# Altium PCB MCU063A_PCB.PcbDoc (part 2 of 9) (continued)
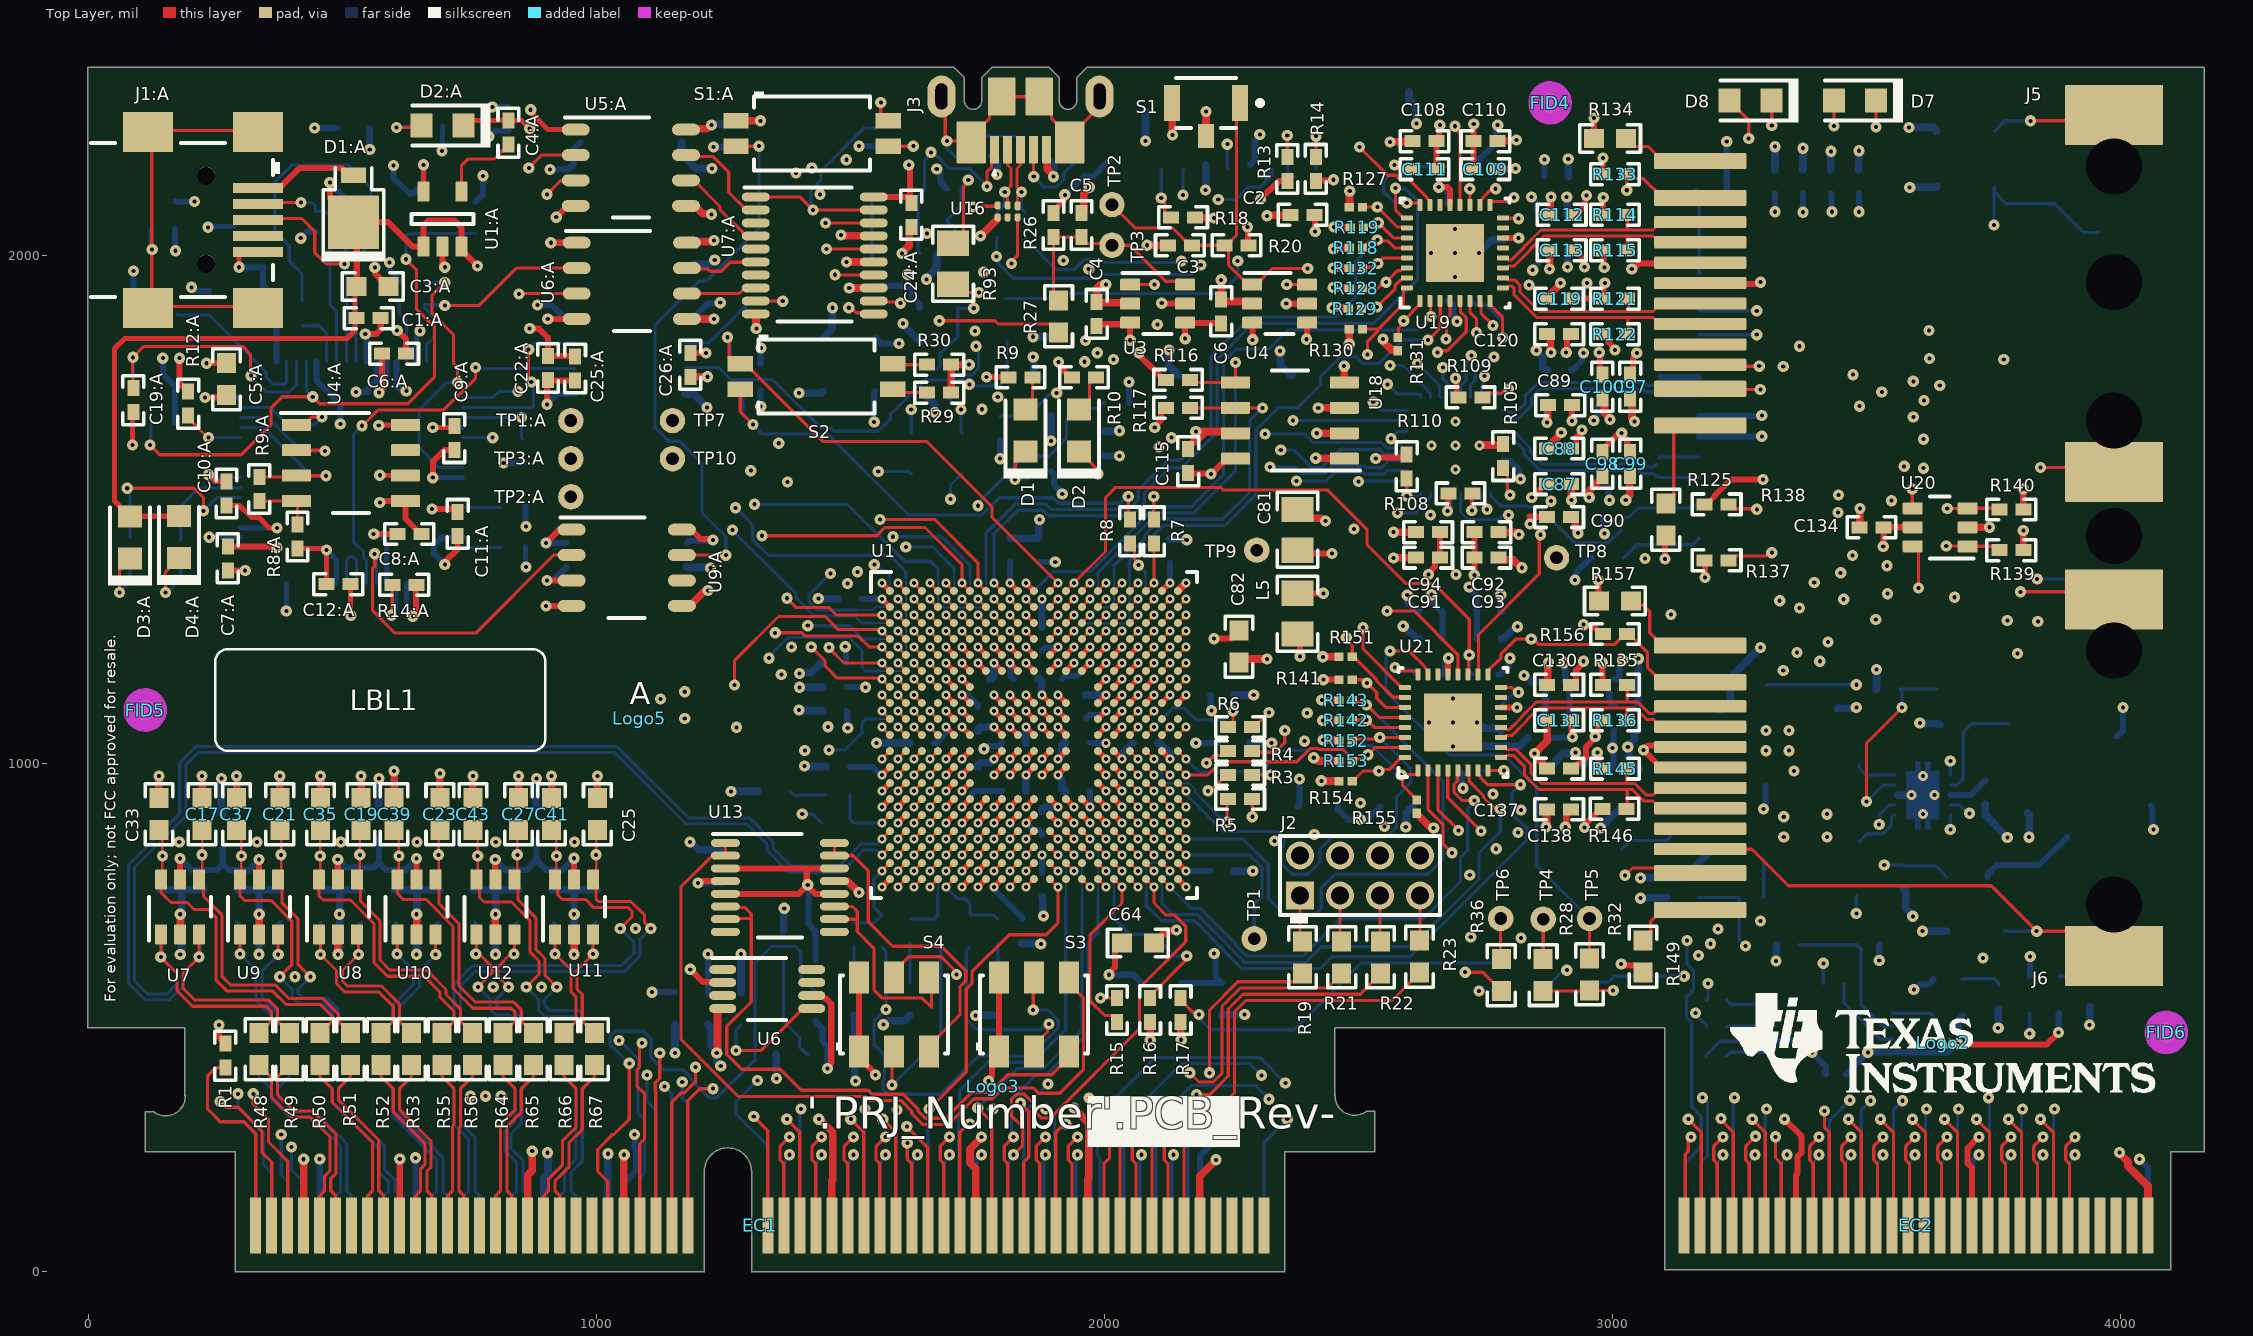
[diagram p0: Top Layer view]
## Part data (continued)
R81: library part CMP-0026879-3, "RES, 22 k, 5%, 0.063 W, AEC-Q200 Grade 0, 0402", Manufacturer=Vishay-Dale, Power_W=63mW, Supplier Part Number 1=541-22KJCT-ND, TempCo="200 ppm/C", Tolerance_%=5%, Value2=0.063W, Value_Code=22k0, ValueDisplayed=22k, AEC Category=Q200, AEC Grade=0, AEC Qualified=Y, ComponentLink1Description="Datasheet link", ComponentLink1URL=http://www.vishay.com/docs/20035/dcrcwe3.pdf, CompType=Resistor, EIA_Code=E24, MountType=SMT, PackageReference=0402, PartNumber=CRCW040222K0JNED, Res_ohm=22k, RoHS=E, SizeArea_mm2=0.5, SizeX_mm=1, SizeY_mm=0.5, SizeZ_mm=0.6, Supplier 1=Digi-Key, Supplier 2=Newark, Supplier 3=Mouser, Supplier Part Number 2=59M6715, Supplier Part Number 3=71-CRCW0402J-22K-E3, Technology="Thick Film", Value1=5%, VDC_V=50V
R83: library part CMP-0026300-2, "RES, 340 k, 1%, 0.063 W, AEC-Q200 Grade 0, 0402", Manufacturer=Vishay-Dale, Power_W=63mW, Supplier Part Number 1=541-340KLCT-ND, TempCo="100 ppm/C", Tolerance_%=1%, Value2=0.063W, Value_Code=340k, AEC Category=Q200, AEC Grade=0, AEC Qualified=Y, ComponentLink1Description="Datasheet link", ComponentLink1URL=http://www.vishay.com/docs/20035/dcrcwe3.pdf, CompType=Resistor, EIA_Code=E96, MountType=SMT, PackageReference=0402, PartNumber=CRCW0402340KFKED, Res_ohm=340k, RoHS=E, SizeArea_mm2=0.5, SizeX_mm=1, SizeY_mm=0.5, SizeZ_mm=0.6, Supplier 1=Digi-Key, Supplier 2=Newark, Supplier 3=Mouser, Supplier Part Number 2=52K6992, Supplier Part Number 3=71-CRCW0402-340K-E3, Technology="Thick Film", Value1=1%, ValueDisplayed=340k, VDC_V=50V
R85: library part CMP-0026676-1, "RES, 2.00 k, 1%, 0.1 W, AEC-Q200 Grade 0, 0402", Manufacturer=Panasonic, Power_W=100mW, Supplier Part Number 1=P2.00KLCT-ND, TempCo="100 ppm/C", Tolerance_%=1%, Value2=0.1W, Value_Code=2k00, ValueDisplayed=2.00k, AEC Category=Q200, AEC Grade=0, AEC Qualified=Y, ComponentLink1Description="Datasheet link", ComponentLink1URL=http://industrial.panasonic.com/cdbs/www-data/pdf/RDA0000/AOA0000C86.pdf, CompType=Resistor, EIA_Code=E96, LatestRevisionDate=2017-03-09, MountType=SMT, PackageReference=0402, PartNumber=ERJ-2RKF2001X, Published=2008-06-26, Publisher="Texas Instruments", Res_ohm=2k, RoHS=Y, SizeArea_mm2=0.5, SizeX_mm=1, SizeY_mm=0.5, SizeZ_mm=0.6, Supplier 1=Digi-Key, Supplier 2=Newark, Supplier 3=Mouser, Supplier Part Number 2=73T6486, Supplier Part Number 3=667-ERJ-2RKF2001X, Technology="Thick Film", U/M=EA, Value1=1%, VDC_V=50V
R86: library part CMP-0026160-2, "RES, 205 k, 1%, 0.063 W, AEC-Q200 Grade 0, 0402", Manufacturer=Vishay-Dale, Power_W=63mW, Supplier Part Number 1=541-205KLCT-ND, TempCo="100 ppm/C", Tolerance_%=1%, Value2=0.063W, Value_Code=205k, AEC Category=Q200, AEC Grade=0, AEC Qualified=Y, ComponentLink1Description="Datasheet link", ComponentLink1URL=http://www.vishay.com/docs/20035/dcrcwe3.pdf, CompType=Resistor, EIA_Code=E96, MountType=SMT, PackageReference=0402, PartNumber=CRCW0402205KFKED, Res_ohm=205k, RoHS=E, SizeArea_mm2=0.5, SizeX_mm=1, SizeY_mm=0.5, SizeZ_mm=0.6, Supplier 1=Digi-Key, Supplier 2=Newark, Supplier 3=Mouser, Supplier Part Number 2=52K6827, Supplier Part Number 3=71-CRCW0402-205K-E3, Technology="Thick Film", Value1=1%, ValueDisplayed=205k, VDC_V=50V
R88: library part CMP-0025698-4, "RES, 100 k, 5%, 0.1 W, AEC-Q200 Grade 0, 0603", Manufacturer=Vishay-Dale, Power_W=100mW, Supplier Part Number 1=541-100KGCT-ND, TempCo="200 ppm/C", Tolerance_%=5%, Value2=0.1W, Value_Code=100k, AEC Category=Q200, AEC Grade=0, AEC Qualified=Y, ComponentLink1Description="Datasheet link", ComponentLink1URL=http://www.vishay.com/docs/20035/dcrcwe3.pdf, CompType=Resistor, EIA_Code=E24, MountType=SMT, PackageReference=0603, PartNumber=CRCW0603100KJNEA, Res_ohm=100k, RoHS=E, SizeArea_mm2=1.28, SizeX_mm=1.6, SizeY_mm=0.8, SizeZ_mm=1, Supplier 1=Digi-Key, Supplier 2=Newark, Supplier 3=Mouser, Supplier Part Number 2=59M6763, Supplier Part Number 3=71-CRCW0603J-100K-E3, Technology="Thick Film", Value1=5%, ValueDisplayed=100k, VDC_V=75V
R89: library part CMP-0026677-1, "RES, 200 k, 1%, 0.1 W, 0402", Manufacturer=Panasonic, Power_W=100mW, Supplier Part Number 1=P200KLCT-ND, TempCo="100 ppm/C", Tolerance_%=1%, Value2=0.1W, Value_Code=200k, AEC Category=Q200, AEC Qualified=?, ComponentLink1Description="Datasheet link", ComponentLink1URL=http://industrial.panasonic.com/www-data/pdf/AOA0000/AOA0000CE2.pdf, CompType=Resistor, EIA_Code=E96, LatestRevisionDate=2017-03-09, MountType=SMT, PackageReference=0402, PartNumber=ERJ-2RKF2003X, Published=2008-06-26, Publisher="Texas Instruments", Res_ohm=200k, RoHS=Y, SizeArea_mm2=0.5, SizeX_mm=1, SizeY_mm=0.5, SizeZ_mm=0.6, Supplier 1=Digi-Key, Supplier 2=Newark, Supplier 3=Mouser, Supplier Part Number 2=73T6488, Supplier Part Number 3=667-ERJ-2RKF2003X, Technology="Thick Film", U/M=EA, Value1=1%, ValueDisplayed=200k, VDC_V=50V
R90: library part CMP-0025557-3, "RES, 75.0 k, 0.5%, 0.1 W, 0603", Manufacturer="Yageo America", Power_W=100mW, TempCo="50 ppm/C", Tolerance_%=0.5%, Value2=0.1W, Value_Code=75k0, ValueDisplayed=75.0k, AEC Category=Q200, AEC Qualified=?, ComponentLink1Description="Datasheet link", ComponentLink1URL=http://www.yageo.com/pdf/PYu-RT_1-to-0.05_RoHS_L_3.pdf, CompType=Resistor, EIA_Code=E192, LatestRevisionDate=2017-03-09, MountType=SMT, PackageReference=0603, PartNumber=RT0603DRE0775KL, Published=2008-06-26, Publisher="Texas Instruments", Res_ohm=75k, RoHS=Y, SizeArea_mm2=1.28, SizeX_mm=1.6, SizeY_mm=0.8, SizeZ_mm=1, Technology="Thin Film", U/M=EA, Value1=0.5%, VDC_V=75V
R93 R94 R95 R96 R97: library part CMP-0020620-3, "RES, 10 k, 5%, 0.125 W, AEC-Q200 Grade 0, 0805", Manufacturer=Panasonic, Power_W=125mW, Supplier Part Number 1=P10KACT-ND, TempCo="200 ppm/C", Tolerance_%=5%, Value2=0.125W, Value_Code=10k0, ValueDisplayed=10k, AEC Category=Q200, AEC Grade=0, AEC Qualified=Y, ComponentLink1Description="Datasheet link", ComponentLink1URL=https://industrial.panasonic.com/cdbs/www-data/pdf/RDA0000/AOA0000C301.pdf, CompType=Resistor, EIA_Code=E24, MountType=SMT, PackageReference=0805, PartNumber=ERJ-6GEYJ103V, Res_ohm=10k, RoHS=Y, SizeArea_mm2=2.5, SizeAreaWB_mm2=6.75, SizeX_mm=2, SizeY_mm=1.25, SizeZ_mm=1.45, Supplier 1=Digi-Key, Supplier 2=Newark, Supplier 3=Mouser, Supplier Part Number 2=67T1248, Supplier Part Number 3=667-ERJ-6GEYJ103V, Technology="Thick Film", Value1=5%, VDC_V=150V
R99 R100 R101: library part CMP-0025875-3, "RES, 100 k, 5%, 0.1 W, AEC-Q200 Grade 0, 0603", Manufacturer=Panasonic, Power_W=100mW, Supplier Part Number 1=P100KGCT-ND, TempCo="200 ppm/C", Tolerance_%=5%, Value2=0.1W, Value_Code=100k, AEC Category=Q200, AEC Grade=0, AEC Qualified=Y, ComponentLink1Description="Datasheet link", ComponentLink1URL=http://industrial.panasonic.com/cdbs/www-data/pdf/RDA0000/AOA0000C84.pdf, CompType=Resistor, EIA_Code=E24, LatestRevisionDate=2017-03-09, MountType=SMT, PackageReference=0603, PartNumber=ERJ-3GEYJ104V, Published=2008-06-26, Publisher="Texas Instruments", Res_ohm=100k, RoHS=Y, SizeArea_mm2=1.28, SizeX_mm=1.6, SizeY_mm=0.8, SizeZ_mm=1, Supplier 1=Digi-Key, Supplier 2=Newark, Supplier 3=Mouser, Supplier Part Number 2=63W0974, Supplier Part Number 3=667-ERJ-3GEYJ104V, Technology="Thick Film", U/M=EA, Value1=5%, ValueDisplayed=100k, VDC_V=50V
R103 R104 R106 R107 R114 R115 R121 R122 R135 R136 R145 R146: library part CMP-0026738-1, "RES, 49.9, 1%, 0.063 W, 0402", Manufacturer="Yageo America", Power_W=63mW, Supplier Part Number 1=311-49.9LRCT-ND, TempCo="100 ppm/C", Tolerance_%=1%, Value2=0.063W, Value_Code=49R9, ValueDisplayed=49.9, AEC Category=Q200, AEC Grade=N/A, AEC Qualified=N, ComponentLink1Description="Datasheet link", ComponentLink1URL=http://www.yageo.com/documents/recent/PYu-RC_Group_51_RoHS_L_1.pdf, CompType=Resistor, EIA_Code=E96, LatestRevisionDate=2017-03-09, MountType=SMT, PackageReference=0402, PartNumber=RC0402FR-0749R9L, Published=2008-06-26, Publisher="Texas Instruments", Res_ohm=49.9, RoHS=Y, SizeArea_mm2=0.5, SizeX_mm=1, SizeY_mm=0.5, SizeZ_mm=0.6, Supplier 1=Digi-Key, Supplier 2=Newark, Supplier 3=Mouser, Supplier Part Number 2=67R9942, Supplier Part Number 3=603-RC0402FR-0749R9L, Technology="Thick Film", U/M=EA, Value1=1%, VDC_V=50V
R105 R120 R144: library part CMP-0026413-2, "RES, 4.87 k, 1%, 0.063 W, AEC-Q200 Grade 0, 0402", Manufacturer=Vishay-Dale, Power_W=63mW, Supplier Part Number 1=541-4.87KLCT-ND, TempCo="100 ppm/C", Tolerance_%=1%, Value2=0.063W, Value_Code=4k87, ValueDisplayed=4.87k, AEC Category=Q200, AEC Grade=0, AEC Qualified=Y, ComponentLink1Description="Datasheet link", ComponentLink1URL=http://www.vishay.com/docs/20035/dcrcwe3.pdf, CompType=Resistor, EIA_Code=E96, MountType=SMT, PackageReference=0402, PartNumber=CRCW04024K87FKED, Res_ohm=4.87k, RoHS=E, SizeArea_mm2=0.5, SizeX_mm=1, SizeY_mm=0.5, SizeZ_mm=0.6, Supplier 1=Digi-Key, Supplier 2=Newark, Supplier 3=Mouser, Supplier Part Number 2=52K7047, Supplier Part Number 3=71-CRCW0402-4.87K-E3, Technology="Thick Film", Value1=1%, VDC_V=50V
R110 R126 R150: library part CMP-0026237-2, "RES, 2.49 k, 1%, 0.063 W, AEC-Q200 Grade 0, 0402", Manufacturer=Vishay-Dale, Power_W=63mW, Supplier Part Number 1=541-2.49KLCT-ND, TempCo="100 ppm/C", Tolerance_%=1%, Value2=0.063W, Value_Code=2k49, ValueDisplayed=2.49k, AEC Category=Q200, AEC Grade=0, AEC Qualified=Y, ComponentLink1Description="Datasheet link", ComponentLink1URL=http://www.vishay.com/docs/20035/dcrcwe3.pdf, CompType=Resistor, EIA_Code=E96, MountType=SMT, PackageReference=0402, PartNumber=CRCW04022K49FKED, Res_ohm=2.49k, RoHS=E, SizeArea_mm2=0.5, SizeX_mm=1, SizeY_mm=0.5, SizeZ_mm=0.6, Supplier 1=Digi-Key, Supplier 2=Newark, Supplier 3=Mouser, Supplier Part Number 2=52K6803, Supplier Part Number 3=71-CRCW0402-2.49K-E3, Technology="Thick Film", Value1=1%, VDC_V=50V
R112 R113 R125 R134 R149 R157: library part CMP-0025813-4, "RES, 470, 5%, 0.1 W, AEC-Q200 Grade 0, 0603", Manufacturer=Vishay-Dale, Power_W=100mW, Supplier Part Number 1=541-470GCT-ND, TempCo="200 ppm/C", Tolerance_%=5%, Value2=0.1W, Value_Code=470R, ValueDisplayed=470, AEC Category=Q200, AEC Grade=0, AEC Qualified=Y, ComponentLink1Description="Datasheet link", ComponentLink1URL=http://www.vishay.com/docs/20035/dcrcwe3.pdf, CompType=Resistor, EIA_Code=E24, MountType=SMT, PackageReference=0603, PartNumber=CRCW0603470RJNEA, Res_ohm=470, RoHS=E, SizeArea_mm2=1.28, SizeX_mm=1.6, SizeY_mm=0.8, SizeZ_mm=1, Supplier 1=Digi-Key, Supplier 2=Newark, Supplier 3=Mouser, Supplier Part Number 2=59M6817, Supplier Part Number 3=71-CRCW0603J-470-E3, Technology="Thick Film", Value1=5%, VDC_V=75V
R118 R119 R127 R128 R129 R130 R131 R132 R141 R142 R143 R151 R152 R153 R154 R155: library part CMP-0027010-2, "RES, 2.2 k, 5%, 0.05 W, 0201", Manufacturer=Vishay-Dale, Power_W=50mW, Supplier Part Number 1=541-2.2KAGCT-ND, TempCo="200 ppm/C", Tolerance_%=5%, Value2=0.05W, Value_Code=2k20, ValueDisplayed=2.2k, AEC Category=Q200, AEC Grade=N/A, AEC Qualified=N, ComponentLink1Description="Datasheet link", ComponentLink1URL=http://www.vishay.com/docs/20052/crcw0201e3.pdf, CompType=Resistor, EIA_Code=E24, MountType=SMT, PackageReference=0201, PartNumber=CRCW02012K20JNED, Res_ohm=2.2k, RoHS=E, SizeArea_mm2=0.18, SizeX_mm=0.6, SizeY_mm=0.3, SizeZ_mm=0.26, Supplier 1=Digi-Key, Supplier 2=Newark, Supplier 3=Mouser, Supplier Part Number 2=48P7324, Supplier Part Number 3=71-CRCW02012K20JNED, Technology="Thick Film", Value1=5%, VDC_V=30V
R137: library part CMP-0026081-3, "RES, 1.27 k, 1%, 0.063 W, AEC-Q200 Grade 0, 0402", Manufacturer=Vishay-Dale, Power_W=63mW, Supplier Part Number 1=541-1.27KLCT-ND, TempCo="100 ppm/C", Tolerance_%=1%, Value2=0.063W, Value_Code=1k27, ValueDisplayed=1.27k, AEC Category=Q200, AEC Grade=0, AEC Qualified=Y, ComponentLink1Description="Datasheet link", ComponentLink1URL=http://www.vishay.com/docs/20035/dcrcwe3.pdf, CompType=Resistor, EIA_Code=E96, MountType=SMT, PackageReference=0402, PartNumber=CRCW04021K27FKED, Res_ohm=1.27k, RoHS=E, SizeArea_mm2=0.5, SizeX_mm=1, SizeY_mm=0.5, SizeZ_mm=0.6, Supplier 1=Digi-Key, Supplier 2=Newark, Supplier 3=Mouser, Supplier Part Number 2=52K6562, Supplier Part Number 3=71-CRCW0402-1.27K-E3, Technology="Thick Film", Value1=1%, VDC_V=50V
S1: library part CMP-0002193-2, "Switch, SPST-NO, Off-Mom, 12 V, SMD", CurrentRating_mA=50A, Manufacturer="Omron Electronic Components", Supplier Part Number 1=SW1021CT-ND, Circuit=SPST-NO, ComponentLink1Description="Datasheet URL", ComponentLink1URL=http://www.omron.com/ecb/products/pdf/en-b3u.pdf, CompType=Switch, LatestRevisionDate=2017-03-09, MountType=SMT, Orientation="Top Actuated", PackageReference="SMD, 3-Leads, Body 3x2.5mm", PartNumber=B3U-1100P, PositionCount=1, Publisher="Texas Instruments", RoHS=Y, Supplier 1=Digi-Key, Supplier 2=Newark, Supplier 3=Mouser, Supplier Part Number 2=39M4619, Supplier Part Number 3=653-B3U-1100P, SwitchFunction=Off-Mom, VDC_V=12V
S1:A S2: library part CMP-0002230-1, "Switch, SPST, 2 Pos, 25mA, 24VDC, SMD", CurrentRating_mA=25A, Manufacturer="CTS Electrocomponents", Supplier Part Number 1=CT2182LPST-ND, Circuit=SPST, ComponentLink1Description="Datasheet Link", ComponentLink1URL=http://www.ctscorp.com/components/Datasheets/218.pdf, CompType=Switch, LatestRevisionDate=2017-03-09, MountType=SMT, Orientation="Top Actuated", PackageReference=3.71x5.8mm, PartNumber=218-2LPST, PositionCount=2, Publisher="Texas Instruments", RoHS=Y, Supplier 1=Digi-Key, Supplier 2=Mouser, Supplier Part Number 2=774-2182LPST, SwitchFunction=Off-On, VDC_V=24V
S3 S4: library part CMP-0002233-1, "Switch, Dual SPDT,  2 Pos, 0.1A, 6VDC, SMD", CurrentRating_mA=100A, Manufacturer="Copal Electronics", Supplier Part Number 1=CASD20JCT-ND, Circuit=SPDT, ComponentLink1Description="Datasheet Link", ComponentLink1URL=http://www.nidec-copal-electronics.com/e/catalog/switch/cas.pdf, CompType=Switch, LatestRevisionDate=2017-03-09, MountType=SMT, Orientation="Top Actuated", PackageReference=5.4x3.9mm, PartNumber=CAS-D20TA, PositionCount=2, Publisher="Texas Instruments", RoHS=Y, Supplier 1=Digi-Key, SwitchFunction=On-On, VDC_V=6V
TP1 TP1:A TP2 TP2:A TP3 TP3:A TP4 TP5 TP6 TP7 TP8 TP9 TP10: library part CMP-0078143-2, "TEST POINT.  No entry in BOM.", Manufacturer=N/A, CompType=Testpoint, PackageReference=N/A, PartNumber=N/A
U1: library part CMP-0081777-3, "TMS320F28388DZWTS, ZWT0337A (NFBGA-337)", Alternate Manufacturer="Texas Instruments", AEC Category=Q200, AEC Qualified=N, ComponentLink1Description="Datasheet Link", ComponentLink1URL=http://www.ti.com/lit/ds/symlink/tms320f28388d.pdf, ComponentLink2Description="Product Folder", ComponentLink2URL=http://www.ti.com/product/tms320f28388d, ComponentLink3Description="Online Datasheet", ComponentLink3URL=http://www.ti.com/product/tms320f28388d/datasheet, CompType=IC, Manufacturer="Texas Instruments", MountType=SMT, PackageDescription=NFBGA-337, PackageReference=ZWT0337A, PartNumber=TMS320F28388DZWTS, SizeArea_mm2=256, SizeAreaWB_mm2=324, SizeX_mm=16, SizeY_mm=16, SizeZ_mm=1.4
U1:A: library part CMP-0073823-1, "Low-Noise, High PSRR, RF 200-mA Low-Dropout Linear Regulators, DBV0005A (SOT-23-5)", Alternate Manufacturer="Texas Instruments", Alternate PartNumber=TPS73033DBVT, ComponentLink1Description="Datasheet Link", ComponentLink1URL=http://www.ti.com/lit/ds/symlink/tps730.pdf, CompType=IC, Footprint Path 6=C:\AltiumLibraries\Footprints\TI\.PcbLib, Green_EU RoHS=Passed, Green_EU RoHS-2=Passed, Green_Lifecycle=Active, Green_REACh=Passed, LatestRevisionDate=2017-06-09, Manufacturer="Texas Instruments", MountType=SMT, PackageDescription=SOT-23-5, PackageReference=DBV0005A, PartNumber=TPS73033DBVR, Publisher="Texas Instruments", RoHS=Y, SizeArea_mm2=8.12, SizeAreaWB_mm2=14.82, SizeX_mm=2.8, SizeY_mm=2.9, SizeZ_mm=1.45, U/M=EA
U2: library part CMP-0051789-2, "Dual Buffer/Driver with Open-Drain Output, DBV0006A, LARGE T&R", F @ Nom Voltage(Max)(Mhz)=150, Generic Part Number=SN74LVC2G07, ICC @ Nom Voltage(Max)(mA)=0.01, Manufacturer="Texas Instruments", Operating Temperature Range(C)="-40 to 125", Rating=Catalog, tpd @ Nom Voltage(Max)(ns)=8.6,4.4,3.7,2.9, Voltage(Nom)(V)=1.8,2.5,3.3,5, 3-State Output=No, AEC Category=Q200, AEC Qualified=N, Bits(#)=2, ComponentLink1Description="Datasheet Link", ComponentLink1URL=http://www.ti.com/lit/ds/symlink/sn74lvc2g07.pdf, ComponentLink2Description="Product Folder", ComponentLink2URL=http://www.ti.com/product/sn74lvc2g07, ComponentLink3Description="Online Datasheet", ComponentLink3URL=http://www.ti.com/product/sn74lvc2g07/datasheet, CompType=IC, DatasheetVersion=SCES308K, Green_EU RoHS=Passed, Green_EU RoHS-2=Passed, Green_Lifecycle=Active, Green_REACh=Passed, Input Type=CMOS/TTL, Logic=True, MountType=SMT, Output Drive (IOL/IOH)(Max)(mA)=32/-32, Output Type=CMOS, PackageDescription=SOT-23-6, PackageReference=DBV0006A, PartNumber=SN74LVC2G07DBVR, RoHS=Y, Schmitt Trigger=No, SizeArea_mm2=8.12, SizeAreaWB_mm2=14.82, SizeX_mm=2.8, SizeY_mm=2.9, SizeZ_mm=1.45, Sub-Family="Inverting Buffer/Driver", Technology Family=LVC, VCC(Max)(V)=5.5, VCC(Min)(V)=1.65
U2:A: library part CMP-0004796-1, "Dual High Speed USB To Multipurpose UART/FIFO IC, LQFP-64", Manufacturer=FTDI, Supplier Part Number 1=768-1024-1-ND, ComponentLink1Description="Datasheet URL", ComponentLink1URL=http://www.ftdichip.com/Support/Documents/DataSheets/ICs/DS_FT2232H.pdf, LatestRevisionDate=09/03/2017, MountType=SMT, PackageReference=LQFP_10x10mm, PartNumber=FT2232HL-REEL, Publisher="Texas Instruments", RoHS=Y, Supplier 1=Digi-Key, Supplier 2=Mouser, Supplier Part Number 2=895-FT2232HL
U3: library part CMP-0080903-1, "High-Accuracy, Fixed-Threshold OV/UV Monitor, DDC0006A (SOT-23-T-6)", Alternate Manufacturer="Texas Instruments", Alternate PartNumber=TPS3702CX33DDCR, AEC Category=Q200, AEC Qualified=N, ComponentLink1Description="Datasheet Link", ComponentLink1URL=http://www.ti.com/lit/ds/symlink/tps3702.pdf, ComponentLink2Description="Product Folder", ComponentLink2URL=http://www.ti.com/product/tps3702, ComponentLink3Description="Online Datasheet", ComponentLink3URL=http://www.ti.com/product/tps3702/datasheet, CompType=IC, Manufacturer="Texas Instruments", MountType=SMT, PackageDescription=SOT-23-T-6, PackageReference=DDC0006A, PartNumber=TPS3702CX33DDCT, RoHS=Y, SizeArea_mm2=4.8675, SizeAreaWB_mm2=10.4675, SizeX_mm=1.65, SizeY_mm=2.95, SizeZ_mm=0.87
U3:A: library part CMP-0043096-2, "Low-Capacitance + / - 15 kV ESD-Protection Array for High-Speed Data Interfaces, 2 Channels, -40 to +85 degC, 5-pin SOT (DRL), Green (RoHS & no Sb/Br)", Breakdown Voltage(Min)(V)=11, IO Capacitance(Typ)(pF)=1.5, IO Leakage Current(nA)=1, Manufacturer="Texas Instruments", ComponentLink1Description="Manufacturer URL", ComponentLink1URL=http://www.ti.com/, ComponentLink2Description=Datasheet, ComponentLink2URL=http://www.ti.com/general/docs/lit/getliterature.tsp?genericPartNumber=TPD2E001&fileType=pdf, ComponentLink3Description="URL Link1", ComponentLink3URL=SamplesURL:http://www.ti.com/product/tpd2e001#samples, DatasheetVersion=SLLS684F, Eco-Plan="Green (RoHS & no Sb/Br)", IEC 61000-4-2 Air-Gap(+/- kV)=15, IEC 61000-4-2 Contact(+/- kV)=8, Mounting Technology="Surface Mount", PackageDescription="5-Pin Plastic Small Outline, Flat Lead 0.5 mm Pitch", PackageReference=DRL0005A, PackageVersion="revD, Aug-2007", PartNumber=TPD2E001DRLR, SubFamily="ESD Solution", USB High Speed=TRUE
U4: library part CMP-0080906-1, "High-Accuracy, Fixed-Threshold OV/UV Monitor, DDC0006A (SOT-23-T-6)", Alternate Manufacturer="Texas Instruments", Alternate PartNumber=TPS3702CX12DDCR, AEC Category=Q200, AEC Qualified=N, ComponentLink1Description="Datasheet Link", ComponentLink1URL=http://www.ti.com/lit/ds/symlink/tps3702.pdf, ComponentLink2Description="Product Folder", ComponentLink2URL=http://www.ti.com/product/tps3702, ComponentLink3Description="Online Datasheet", ComponentLink3URL=http://www.ti.com/product/tps3702/datasheet, CompType=IC, Manufacturer="Texas Instruments", MountType=SMT, PackageDescription=SOT-23-T-6, PackageReference=DDC0006A, PartNumber=TPS3702CX12DDCT, RoHS=Y, SizeArea_mm2=4.8675, SizeAreaWB_mm2=10.4675, SizeX_mm=1.65, SizeY_mm=2.95, SizeZ_mm=0.87
U4:A: library part CMP-0005261-2, "2K Microwire Compatible Serial EEPROM, SOIC-8", Manufacturer=Microchip, Supplier Part Number 1=93LC56C-I/SN-ND, ComponentLink1Description="Datasheet URL", ComponentLink1URL=http://ww1.microchip.com/downloads/en/DeviceDoc/21794G.pdf, LatestRevisionDate=09/03/2017, MountType=SMT, PackageReference=SOIC-8, PartNumber=93LC56C-I/SN, Publisher="Texas Instruments", RoHS=Y, SizeArea_mm2=29.351, SizeAreaWB_mm2=55.131, SizeX_mm=5.99, SizeY_mm=4.9, SizeZ_mm=1.75, Supplier 1=Digi-Key, Supplier 2=Newark, Supplier 3=Mouser, Supplier Part Number 2=30H4775, Supplier Part Number 3=579-93LC56C-I/SNG
U5: library part CMP-0065661-1, "Low Jitter, 1:4 LVCMOS Fan-out Clock Buffer, PW0008A (TSSOP-8)", Alternate Manufacturer="Texas Instruments", ComponentLink1Description="Datasheet Link", ComponentLink1URL=http://www.ti.com/lit/ds/symlink/cdclvc1104.pdf, CompType=IC, Footprint Path 6=C:\AltiumLibraries\Footprints\TI\.PcbLib, Green_EU RoHS=Passed, Green_EU RoHS-2=Passed, Green_Lifecycle=Active, Green_REACh=Passed, LatestRevisionDate=2017-06-09, Manufacturer="Texas Instruments", MountType=SMT, PackageDescription=TSSOP-8, PackageReference=PW0008A, PartNumber=CDCLVC1104PW, Publisher="Texas Instruments", RoHS=Y, SizeArea_mm2=19.2, SizeAreaWB_mm2=42.0, SizeX_mm=6.4, SizeY_mm=3.0, SizeZ_mm=1.2, U/M=EA
U5:A U6:A U8:A U9:A: library part CMP-0029375-1, "25 Mbps Dual Channels, 2 / 0, Digital Isolator, 3.3 V / 5 V, -40 to +125 degC, 8-pin SOIC (D), Green (RoHS & no Sb/Br)", Insulation Rating(VRMS)=2500, Manufacturer="Texas Instruments", Rating=Catalog, Supply Voltage(s)(V)="3.3, 5", Channel Configuration=2/01/2000, ComponentLink1Description="Manufacturer URL", ComponentLink1URL=http://www.ti.com/, ComponentLink2Description=Datasheet, ComponentLink2URL=http://www.ti.com/general/docs/lit/getliterature.tsp?genericPartNumber=ISO7220C&fileType=pdf, ComponentLink3Description="URL Link1", ComponentLink3URL=SamplesURL:http://www.ti.com/product/iso7220c#samples, Datarate(Mbps)=25, DatasheetVersion=SLLS755L, Eco-Plan="Green (RoHS & no Sb/Br)", Input Noise Filter=Yes, Mounting Technology="Surface Mount", PackageDescription="8-Pin Plastic Small Outline Integrated Circuit, 4.9 x 3.9 mm, Pitch 1.27 mm Pitch", PackageReference=D0008B, PackageVersion="revM, Jun-2011", PartNumber=ISO7220CD, Prop Delay(Max)(ns)=42, SubFamily=Isolator, Thermal Shutdown=No, TTL/CMOS Input Threshold=TTL
U6: library part CMP-0032596-2, "Low Noise, Very Low Drift, Precision Series Voltage Reference, DGK0008A (VSSOP-8)", Manufacturer="Texas Instruments", Rating=Catalog, Temp Coeff(Max)(ppm/ degree C)=3, AEC Category=Q200, AEC Qualified=N, Code_JEDEC=MO-187-AA, ComponentLink1Description="Datasheet Link", ComponentLink1URL=http://www.ti.com/lit/ds/symlink/ref5030.pdf, ComponentLink2Description="Product Folder", ComponentLink2URL=http://www.ti.com/product/ref5030, ComponentLink3Description="Online Datasheet", ComponentLink3URL=http://www.ti.com/product/ref5030/datasheet, CompType=IC, DatasheetVersion=SBOS410E, Eco-Plan="Green (RoHS & no Sb/Br)", Initial Accuracy @ 25/deg C(%)=0.05, Iout/Iz(Max)(mA)=10, Iq(Max)(uA)=1000, MountType=SMT, PackageDescription=VSSOP-8, PackageReference=DGK0008A, PackageVersion=4073329/E, PartNumber=REF5030IDGKT, RoHS=Y, SizeArea_mm2=14.7, SizeAreaWB_mm2=23.6, SizeX_mm=4.9, SizeY_mm=3, SizeZ_mm=1.1, SubFamily="Series Voltage Reference", VI(Max)(V)=18, VI(Min)(V)=3.2, VO(V)=3
U7 U8 U9 U10 U11 U12: library part CMP-0066599-1, "Automotive Low-Capacitance 4-Channel +/-15-kV ESD Protection Array for High-Speed Data Interfaces, DBV0006A (SOT-23-6)", Alternate Manufacturer="Texas Instruments", ComponentLink1Description="Datasheet Link", ComponentLink1URL=http://www.ti.com/lit/ds/symlink/tpd4e001-q1.pdf, CompType=IC, Footprint Path 6=C:\AltiumLibraries\Footprints\TI\.PcbLib, LatestRevisionDate=2017-06-09, Manufacturer="Texas Instruments", MountType=SMT, PackageDescription=SOT-23-6, PackageReference=DBV0006A, PartNumber=TPD4E001QDBVRQ1, Publisher="Texas Instruments", RoHS=Y, SizeArea_mm2=8.12, SizeAreaWB_mm2=14.82, SizeX_mm=2.8, SizeY_mm=2.9, SizeZ_mm=1.45, U/M=EA
U7:A: library part CMP-0047070-3, "Octal Buffer/Driver With 3-State OUtputs, PW0020A (TSSOP-20)", Alternate Manufacturer="Texas Instruments", Alternate PartNumber=SN74ALVC244PW, F @ Nom Voltage(Max)(Mhz)=100, Generic Part Number=SN74ALVC244, ICC @ Nom Voltage(Max)(mA)=0.024, Operating Temperature Range(C)="-40 to 85", Rating=Catalog, tpd @ Nom Voltage(Max)(ns)=4.4,3.1,2.8, Voltage(Nom)(V)=1.8,2.5,2.7,3.3, AEC Category=Q200, AEC Qualified=N, Bits(#)=8, Code_JEDEC=MO-153, ComponentLink1Description="Datasheet Link", ComponentLink1URL=http://www.ti.com/lit/ds/symlink/sn74alvc244.pdf, ComponentLink2Description="Product Folder", ComponentLink2URL=http://www.ti.com/product/sn74alvc244, ComponentLink3Description="Online Datasheet", ComponentLink3URL=http://www.ti.com/product/sn74alvc244/datasheet, CompType=IC, DatasheetVersion=SCES188G, Input Type=LVTTL, Manufacturer="Texas Instruments", MountType=SMT, Output Type=LVTTL, PackageDescription=TSSOP-20, PackageReference=PW0020A, PackageVersion=http://www.ti.com/lit/ml/mpds362/mpds362.pdf, PartNumber=SN74ALVC244PWR, RoHS=Y, SizeArea_mm2=43.56, SizeAreaWB_mm2=73.96, SizeX_mm=6.6, SizeY_mm=6.6, SizeZ_mm=1.2, VCC(Max)(V)=3.6, VCC(Min)(V)=1.65
U13: library part CMP-0041147-1, "High-Speed, Single-Supply, Rail-to-Rail Operational Amplifier MicroAmplifier(TM) Series, 2.7 to 5.5 V, -55 to 150 degC, 16-pin SOP (DBQ16), Green (RoHS & no Sb/Br)", Manufacturer="Texas Instruments", Total Supply Voltage(Max)(+5V is 5, +/-5V is 10)=5.5, Total Supply Voltage(Min)(+5V is 5, +/-5V is 10)=2.7, CMRR(Min)(dB)=66, Code_JEDEC=MO-137, ComponentLink1Description="Manufacturer URL", ComponentLink1URL=http://www.ti.com/, ComponentLink2Description=Datasheet, ComponentLink2URL=http://www.ti.com/general/docs/lit/getliterature.tsp?genericPartNumber=OPA4350&fileType=pdf, ComponentLink3Description="Package Specification", ComponentLink3URL=http://www.ti.com/litv/pdf/msoi004g, DatasheetVersion=SBOS099C, Eco-Plan="Green (RoHS & no Sb/Br)", IIB(Max)(pA)=10, Iq per channel(Max)(mA)=7.5, Mounting Technology="Surface Mount", Number of Channels=4, Offset Drift(Typ)(uV/C)=4, PackageDescription="16-Pin, Plastic Small Outline, Body 3.9 x 4.9 mm, Pitch 0.635 mm", PackageReference=DBQ0016A, PackageVersion="4073301-2/H, 10/2008", PartNumber=OPA4350EA/250, Slew Rate(Typ)(V/us)=22, Sub Family="Low Input Bias Current Amp (<=10pA), Low Offset Voltage Amplifier (<=500uV), Low Supply Voltage Amplifier (<=2.7V), Precision Amplifier", Vio (25C)(Max)(mV)=0.5, Vn at 1kHz(Typ)(nV/rtHz)=18
U14: library part CMP-0037884-5, "Dual, Adjustable, 600mA and 1000mA, 2.25MHz Step-Down Converter with 1-Wire Interface in QFN, DRC0010J (VSON-10)", Dynamic Voltage Scaling=TRUE, Manufacturer="Texas Instruments", Operating Temperature Range="-40 to 85 C", Rating=Catalog, Switch Current Limit(Typ)(A)=1, AEC Category=Q200, AEC Qualified=N, ComponentLink1Description="Datasheet Link", ComponentLink1URL=http://www.ti.com/lit/ds/symlink/tps62420.pdf, ComponentLink2Description="Product Folder", ComponentLink2URL=http://www.ti.com/product/tps62420, ComponentLink3Description="Online Datasheet", ComponentLink3URL=http://www.ti.com/product/tps62420/datasheet, CompType=IC, Duty Cycle(Max)(%)=100, Iout2(Max)(A)=1, Iout(Max)(A)=0.6, Iq(Typ)(mA)=0.032, MountType=SMT, PackageDescription=VSON-10, PackageReference=DRC0010J, PartNumber=TPS62420DRCR, Regulated Outputs(#)=2, RoHS=Y, SizeArea_mm2=9, SizeAreaWB_mm2=16, SizeX_mm=3, SizeY_mm=3, SizeZ_mm=1, Synchronous Rectification=TRUE, Topology=Buck, Vin(Max)(V)=6, Vin(Min)(V)=2.5, Vout2(Max)(V)=6, Vout2(Min)(V)=0.6, Vout(Max)(V)=6, Vout(Min)(V)=0.6
U15: library part CMP-0074276-1, "Single, Current-Limited, Power-Distribution Switch, DBV0005A (SOT-23-5)", Alternate Manufacturer="Texas Instruments", Alternate PartNumber=TPS2051BDBVT, ComponentLink1Description="Datasheet Link", ComponentLink1URL=http://www.ti.com/lit/ds/symlink/tps2051b.pdf, CompType=IC, Footprint Path 6=C:\AltiumLibraries\Footprints\TI\.PcbLib, Green_EU RoHS=Passed, Green_EU RoHS-2=Passed, Green_Lifecycle=Active, Green_REACh=Passed, LatestRevisionDate=2017-06-09, Manufacturer="Texas Instruments", MountType=SMT, PackageDescription=SOT-23-5, PackageReference=DBV0005A, PartNumber=TPS2051BDBVR, Publisher="Texas Instruments", RoHS=Y, SizeArea_mm2=8.12, SizeAreaWB_mm2=14.82, SizeX_mm=2.8, SizeY_mm=2.9, SizeZ_mm=1.45, U/M=EA
U16: library part CMP-0043122-3, "4-Channel USB ESD Solution with Power Clamp, DRY0006A (USON-6)", Breakdown Voltage(Min)(V)=6, IO Capacitance(Typ)(pF)=0.8, IO Leakage Current(nA)=10, Manufacturer="Texas Instruments", Operating Temperature Range="-40 to 85 C", Rating=Catalog, AEC Category=Q200, AEC Qualified=N, ComponentLink1Description="Datasheet Link", ComponentLink1URL=http://www.ti.com/lit/ds/symlink/tpd4s012.pdf, ComponentLink2Description="Product Folder", ComponentLink2URL=http://www.ti.com/product/tpd4s012, ComponentLink3Description="Online Datasheet", ComponentLink3URL=http://www.ti.com/product/tpd4s012/datasheet, CompType=IC, Eco-Plan="Green (RoHS & no Sb/Br)", IEC 61000-4-2 Air-Gap(+/- kV)=10, IEC 61000-4-2 Contact(+/- kV)=10, MountType=SMT, PackageDescription=USON-6, PackageReference=DRY0006A, PartNumber=TPD4S012DRYR, RoHS=Y, SizeArea_mm2=1.45, SizeAreaWB_mm2=4.9, SizeX_mm=1.0, SizeY_mm=1.45, SizeZ_mm=0.6, USB High Speed=TRUE
U17 U19 U21: library part CMP-0076010-3, "Robust, Low Power 10/100 Ethernet Physical Layer Transceiver, RHB0032B (VQFN-32)", Alternate Manufacturer="Texas Instruments", Alternate PartNumber=DP83822IRHBT, AEC Category=Q200, AEC Qualified=N, ComponentLink1Description="Datasheet Link", ComponentLink1URL=http://www.ti.com/lit/ds/symlink/dp83822i.pdf, ComponentLink2Description=ComponentLink2Description, ComponentLink2URL=http://www.ti.com/product/dp83822i, CompType=IC, Manufacturer="Texas Instruments", MountType=SMT, PackageDescription=VQFN-32, PackageReference=RHB0032B, PartNumber=DP83822IRHBR, RoHS=Y, SizeArea_mm2=25.0, SizeAreaWB_mm2=49.0, SizeX_mm=5.0, SizeY_mm=5.0, SizeZ_mm=1.0
U18: library part CMP-0082059-1, "16 Kb I2C EEPROM Serial, SOIC-8", Manufacturer="ON Semiconductor", Supplier Part Number 1=CAT24C16WI-GT3CT-ND, ComponentLink1Description="Datasheet URL", ComponentLink1URL=https://www.onsemi.com/pub/Collateral/CAT24C01-D.PDF, MountType=SMT, PackageReference=SOIC-8, PartNumber=CAT24C16WI-GT3, RoHS=Y, SizeArea_mm2=29.351, SizeAreaWB_mm2=55.131, SizeX_mm=5.99, SizeY_mm=4.9, SizeZ_mm=1.75, Supplier 1=Digi-Key, Supplier 2=Newark, Supplier 3=Mouser, Supplier Part Number 2=23AC2979, Supplier Part Number 3=698-CAT24C16WI-GT3
U20: library part CMP-0051777-1, "Dual Inverter Buffer/Driver with Open-Drain Output, DBV0006A, LARGE T&R", F @ Nom Voltage(Max)(Mhz)=150, Generic Part Number=SN74LVC2G06, ICC @ Nom Voltage(Max)(mA)=0.01, Manufacturer="Texas Instruments", Operating Temperature Range(C)="-40 to 125,-40 to 85", Rating=Catalog, tpd @ Nom Voltage(Max)(ns)=8.2,4.4,3.9,3.4, Voltage(Nom)(V)=1.8,2.5,3.3,5, 3-State Output=No, Bits(#)=2, DatasheetVersion=SCES307I, Input Type=CMOS/TTL, Logic=Inverting, Output Drive (IOL/IOH)(Max)(mA)=32/-32, Output Type=CMOS, PackageReference=DBV0006A, PartId=1, PartNumber=SN74LVC2G06DBVR, Schmitt Trigger=No, Sub-Family="Inverting Buffer/Driver", Technology Family=LVC, VCC(Max)(V)=5.5, VCC(Min)(V)=1.65
Y1: library part CMP-0082061-1, "Oscillator, 25 MHz, 15 pF, SMD", Frequency_Fixed=25MHz, Frequency Stability="10 ppm", Load Capacitance="15 pF", Manufacturer="ECS Inc.", Supplier Part Number 1=XC2198CT-ND, AEC Category=Q200, AEC Grade=N/A, AEC Qualified=N, ComponentLink1Description="Datasheet Link", ComponentLink1URL=https://www.ecsxtal.com/store/pdf/ECS-2520S.pdf, CompType=Oscillator, MountType=SMT, PackageReference=2x2.5mm, PartNumber=ECS-2520S33-250-FN-TR, RoHS=Y, SizeArea_mm2=5, SizeAreaWB_mm2=10.5, SizeX_mm=2, SizeY_mm=2.5, SizeZ_mm=1, Supplier 1=Digi-Key, Supplier 2=Mouser, Supplier Part Number 2=520-2520S33-250-FNT, TaMax_C=85°C, TaMin_C=-40°C
Y1:A: library part CMP-0004646-3, "Crystal, 12 MHz, 20pF, SMD", Frequency_Fixed=12MHz, Frequency Stability=+/-50ppm, Manufacturer="ECS Inc.", Supplier Part Number 1=XC1118CT-ND, ComponentLink1Description="Datasheet Link", ComponentLink1URL=http://www.ecsxtal.com/store/pdf/ecx_53b.pdf, CompType=Crystal, MountType=SMT, PackageReference=5x3.2mm, PartNumber=ECS-120-20-30B-TR, RoHS=Y, Supplier 1=Digi-Key, Supplier 2=Mouser, Supplier Part Number 2=520-ECS-120-20-30B, TaMax_C=70°C, TaMin_C=-20°C
Y2: library part CMP-0082062-1, "Oscillator, 20 MHz, 15 pF, SMD", Frequency_Fixed=20MHz, Frequency Stability="10 ppm", Load Capacitance="15 pF", Manufacturer="ECS Inc.", Supplier Part Number 1=XC2196CT-ND, AEC Category=Q200, AEC Grade=N/A, AEC Qualified=N, ComponentLink1Description="Datasheet Link", ComponentLink1URL=https://www.ecsxtal.com/store/pdf/ECS-2520S.pdf, CompType=Oscillator, MountType=SMT, PackageReference=2x2.5mm, PartNumber=ECS-2520S33-200-FN-TR, RoHS=Y, SizeArea_mm2=5, SizeAreaWB_mm2=10.5, SizeX_mm=2, SizeY_mm=2.5, SizeZ_mm=1, Supplier 1=Digi-Key, Supplier 2=Mouser, Supplier Part Number 2=520-2520S33-200-FNT, TaMax_C=85°C, TaMin_C=-40°C
ZZ1: library part CMP-0003616-3, ClassName=AssemblyNote, CompType=AssemblyNote, Key=AssemblyNoteLabel, LatestRevisionDate=2017-03-09, Publisher="Texas Instruments"
ZZ2: library part CMP-0077236-1, ClassName=AssemblyNote, CompType=AssemblyNote, Key=AssemblyNote, LatestRevisionDate=2017-08-10, Publisher="Texas Instruments"
ZZ3: library part CMP-0077237-1, ClassName=AssemblyNote, CompType=AssemblyNote, Key=AssemblyNote, LatestRevisionDate=2017-08-10, Publisher="Texas Instruments"
ZZ4: library part CMP-0077238-1, ClassName=AssemblyNote, CompType=AssemblyNote, Key=AssemblyNote, LatestRevisionDate=2017-08-10, Publisher="Texas Instruments"

## Via types
v1: diameter 22, hole 8, Top Layer to Bottom, tented both sides, 895 vias
v2: diameter 18, hole 8, Top Layer to Bottom, tented both sides, 334 vias
v3: diameter 19.68, hole 7.87, Top Layer to Bottom, 19 vias
v4: diameter 18/18/18/18/18/18 (per signal layer), hole 8, Top Layer to Bottom, tented both sides, 1 vias
v5: diameter 22/22/22/22/22/22 (per signal layer), hole 8, Top Layer to Bottom, tented both sides, 1 vias

## Nets (pads, with @x,y where several pads share a name; then routed paths per layer and width w, separated by ;. In a path a pad name is that pad's centre, name@x,y a point inside that pad or via, vN(x,y) a via of type N, cw(c..) or ccw(c..) an arc to the next point about the centre after c; other vN are vias at no path point)
1V2: C50.1 C51.1 C81.2 D4.2 L2.2 L5.1 R86.2 | length 122
  Top Layer w12: L5.1@2380.01,1335 v1(2431.01,1335) ; C81.2@2380.01,1420 2386.7,1413.31 v1(2448.21,1413.31)
  other v1: 3357.21,985.31 3302.21,1025.31 3347.21,1025.31 3302.21,1065.31 3347.21,1065.31
3V3: C45.1 C52.2 C63.2 D4.1 L1.2 L3.1 L4.1 R80.1 R83.2 R84.2 | length 297.5
  Bottom w12: L4.1@2153.39,567.91 C63.2@2231.5,567.91 2218.8,580.61 2218.8,621.02 2216.21,623.61 v1(2216.21,626.31) ; L3.1@2460.01,915 2460.01,909 2479.01,890 v1(2504.01,890) 2505.92,891.91 2519.44,891.91 2542.53,915 C52.2@2543.51,915 ; v1(3297.21,910.31) 3301.11,914.22 D4.1@3301.11,955.64
  other v1: 3337.21,855.31 3422.21,855.31 3337.21,895.31 3422.21,900.31
20MHZ_CLK: R36.1 Y2.3 | length 1317
  Top Layer w6.25: v1(2710.21,589.31) 2744.83,589.31 2781.31,552.83 R36.1@2781.31,551.85
  Signal Layer 3 w6.25: v1(2710.21,589.31) 2744.33,623.44 3127.76,623.44 3153.51,597.69 3310.2,597.69 3370.7,537.19 3752.33,537.19 v1(3821.21,468.31)
  Bottom w6.25: v1(3821.21,468.31) 3821.21,508.32 Y2.3@3821.47,508.58
25MHZ_CLK: U5.1 Y1.3 | length 82.3
  Bottom w6.25: U5.1@3551.15,508.39 3626.66,508.39 Y1.3@3631.47,503.58
1415_N: C19.1 R56.1 U1.U4 U8.4 | length 1814.2
  Top Layer w5: U8.4@528.82,772.01 534.61,777.79 v1(534.61,820.31) C19.1@534.61,868.82
  Top Layer w6: U8.4@528.82,772.01 536.21,764.62 536.21,728.28 574.21,690.28 574.21,613.28 594.18,593.31 666.18,593.31 704.21,555.28 704.21,545.28 732.42,517.07 732.42,493.37 R56.1@756.42,469.37
  Top Layer w6.25: v2(1656.7,819.88) U1.U4@1672.44,835.63
  Signal Layer 4 w4: 1541.21,844.31 1550.21,835.31 1641.26,835.31 v2(1656.7,819.88)
  Signal Layer 4 w5: v1(534.61,820.31) 514.71,840.21 514.71,852.56 501.61,865.66 501.61,875.74 509.18,883.31 1314.21,883.31 1353.21,844.31 1541.21,844.31
1415_P: C35.1 R55.1 U1.T4 U8.6 | length 1896.3
  Top Layer w5: C35.1@449.61,868.82 456.61,861.82 v1(456.61,818.31) 456.61,774.6 U8.6@454.02,772.01
  Top Layer w6: U8.6@454.02,772.01 454.02,739.5 462.21,731.31 516.21,731.31 562.21,685.31 562.21,608.31 589.21,581.31 661.21,581.31 692.21,550.31 692.21,540.31 712.21,520.31 720.42,512.1 720.42,493.37 R55.1@696.42,469.37
  Top Layer w6.25: v2(1656.7,851.38) U1.T4@1672.44,867.12
  Signal Layer 4 w4: 1541.21,856.31 1552.21,867.31 1640.76,867.31 v2(1656.7,851.38)
  Signal Layer 4 w5: v1(456.61,818.31) 479.71,841.41 479.71,852.56 489.61,862.46 489.61,880.71 504.21,895.31 1319.18,895.31 1358.18,856.31 1541.21,856.31
A0A1_N: C16.1 R49.1 U1.T1 U7.3 | length 2653.3
  Top Layer w6: U7.3@218.42,657.87 v1(218.42,619.41) 186.71,587.71 186.71,557.78 210.18,534.31 355.18,534.31 372.42,517.07 372.42,493.37 R49.1@396.42,469.37
  Top Layer w6.25: v2(1562.21,851.38) U1.T1@1577.96,867.12
  Bottom w6: v1(218.42,619.41) 186.71,587.71 186.71,561.34 163.2,537.83 159.68,534.31 112.24,534.31 108.72,537.83 79.21,567.34 79.21,800.31 180.21,901.31 180.21,1002.28 211.24,1033.31 1041.21,1033.31 1181.52,893 1300.97,893 1348,845.97 1348,834 1384,798 1477.4,798 1521.03,841.63 1543.07,841.63 1552.46,841.63 v2(1562.21,851.38) ; v1@221.01,619.41 221.01,669.5 C16.1@225.01,673.5
A0A1_P: C32.1 R48.1 U1.U1 U7.1 | length 2591.8
  Top Layer w6: v1(143.01,619) 174.71,587.3 174.71,552.8 194.65,532.87 205.21,522.31 350.21,522.31 360.42,512.1 360.42,493.37 R48.1@336.42,469.37 ; v1@143.62,619.61 U7.1@143.62,657.87
  Top Layer w6.25: v2(1562.21,819.88) U1.U1@1577.96,835.63
  Bottom w6: v1(143.01,619) 174.71,587.3 174.71,566.31 154.71,546.31 117.21,546.31 91.21,572.31 91.21,795.34 192.21,896.34 192.21,997.31 216.21,1021.31 1036.24,1021.31 1176.55,881 1296,881 1336,841 1336,829.03 1379.03,786 1482.37,786 1526,829.63 1532.49,829.63 1552.46,829.63 v2(1562.21,819.88) ; C32.1@145.01,673.5 146.01,672.5 v1@146.01,619
A2A3_N: C17.1 R51.1 U1.T2 U7.4 | length 2210.5
  Top Layer w5: U7.4@218.42,772.01 224.21,777.79 v1(224.21,820.31) C17.1@224.21,868.82
  Top Layer w6: U7.4@218.42,772.01 227.21,763.22 227.21,738.28 263.21,702.28 263.21,581.31 280.5,564.02 368.5,564.02 395.21,537.31 462.18,537.31 492.42,507.07 492.42,493.37 R51.1@516.42,469.37
  Top Layer w6.25: v2(1593.7,851.38) U1.T2@1609.45,867.12
  Signal Layer 3 w4: 1537.65,858.31 1546.46,867.12 1577.96,867.12 v2(1593.7,851.38)
  Signal Layer 3 w5: v1(224.21,820.31) 191.21,787.31 191.21,765.31 215.21,741.31 720.21,741.31 765.21,786.31 859.21,786.31 878.21,805.31 878.21,837.28 915.74,874.81 1196.43,874.81 1206.93,864.31 1489.18,864.31 1495.18,858.31 1537.65,858.31
A2A3_P: C33.1 R50.1 U1.U2 U7.6 | length 2292.6
  Top Layer w5: C33.1@139.21,868.82 146.21,861.82 v1(146.21,818.31) 146.21,774.6 U7.6@143.62,772.01
  Top Layer w6: U7.6@143.62,772.01 143.62,745.9 163.21,726.31 195.21,726.31 209.21,712.31 236.21,712.31 251.21,697.31 251.21,574.31 273.5,552.02 363.53,552.02 390.24,525.31 457.21,525.31 480.42,502.1 480.42,493.37 R50.1@456.42,469.37
  Top Layer w6.25: v2(1593.7,819.88) U1.U2@1609.45,835.63
  Signal Layer 3 w4: 1535.77,846.31 1546.46,835.63 1577.96,835.63 v2(1593.7,819.88)
  Signal Layer 3 w5: v1(146.21,818.31) 179.21,785.31 179.21,760.34 210.24,729.31 725.18,729.31 770.18,774.31 864.18,774.31 890.21,800.34 890.21,832.31 920.71,862.81 1191.46,862.81 1201.71,852.56 1201.71,852.31 1484.21,852.31 1490.21,846.31 1535.77,846.31
A4A5_N: C18.1 R53.1 U1.T3 U8.3 | length 1828.8
  Top Layer w6: U8.3@532.01,663.74 532.01,624.18 v1(532.19,624) 500.69,592.5 500.69,571.83 510.21,562.31 577.18,562.31 612.42,527.07 612.42,493.37 R53.1@636.42,469.37
  Top Layer w6.25: v2(1625.2,851.38) U1.T3@1640.95,867.12
  Signal Layer 3 w4: 1619.21,737.31 1609.21,747.31 1609.21,835.38 v2(1625.2,851.38)
  Signal Layer 3 w5: v1(532.19,624) 500.69,592.5 500.69,571.83 517.21,555.31 650.21,555.31 721.21,626.31 721.21,642.28 741.24,662.31 975.21,662.31 1025.21,712.31 1235.18,712.31 1274.18,673.31 1369.21,673.31 1414.21,718.31 1607.21,718.31 1619.21,730.31 1619.21,737.31
  Bottom w6: v1(532.19,624) 532.19,682.49 C18.1@538.2,688.5